# Altium PCB capleak.PcbDoc (part 1 of 2)
Units mm, origin at the board's own origin, x right, y up, seen from the top; angles counter-clockwise.
Board outline 114 x 52 mm, 2 copper layers (Top Layer, Bottom Layer), stack 1.59 mm thick; 91 components, 66 nets, 452 pads, 98 vias.
Unrouted connection lines stored in the file: 26.
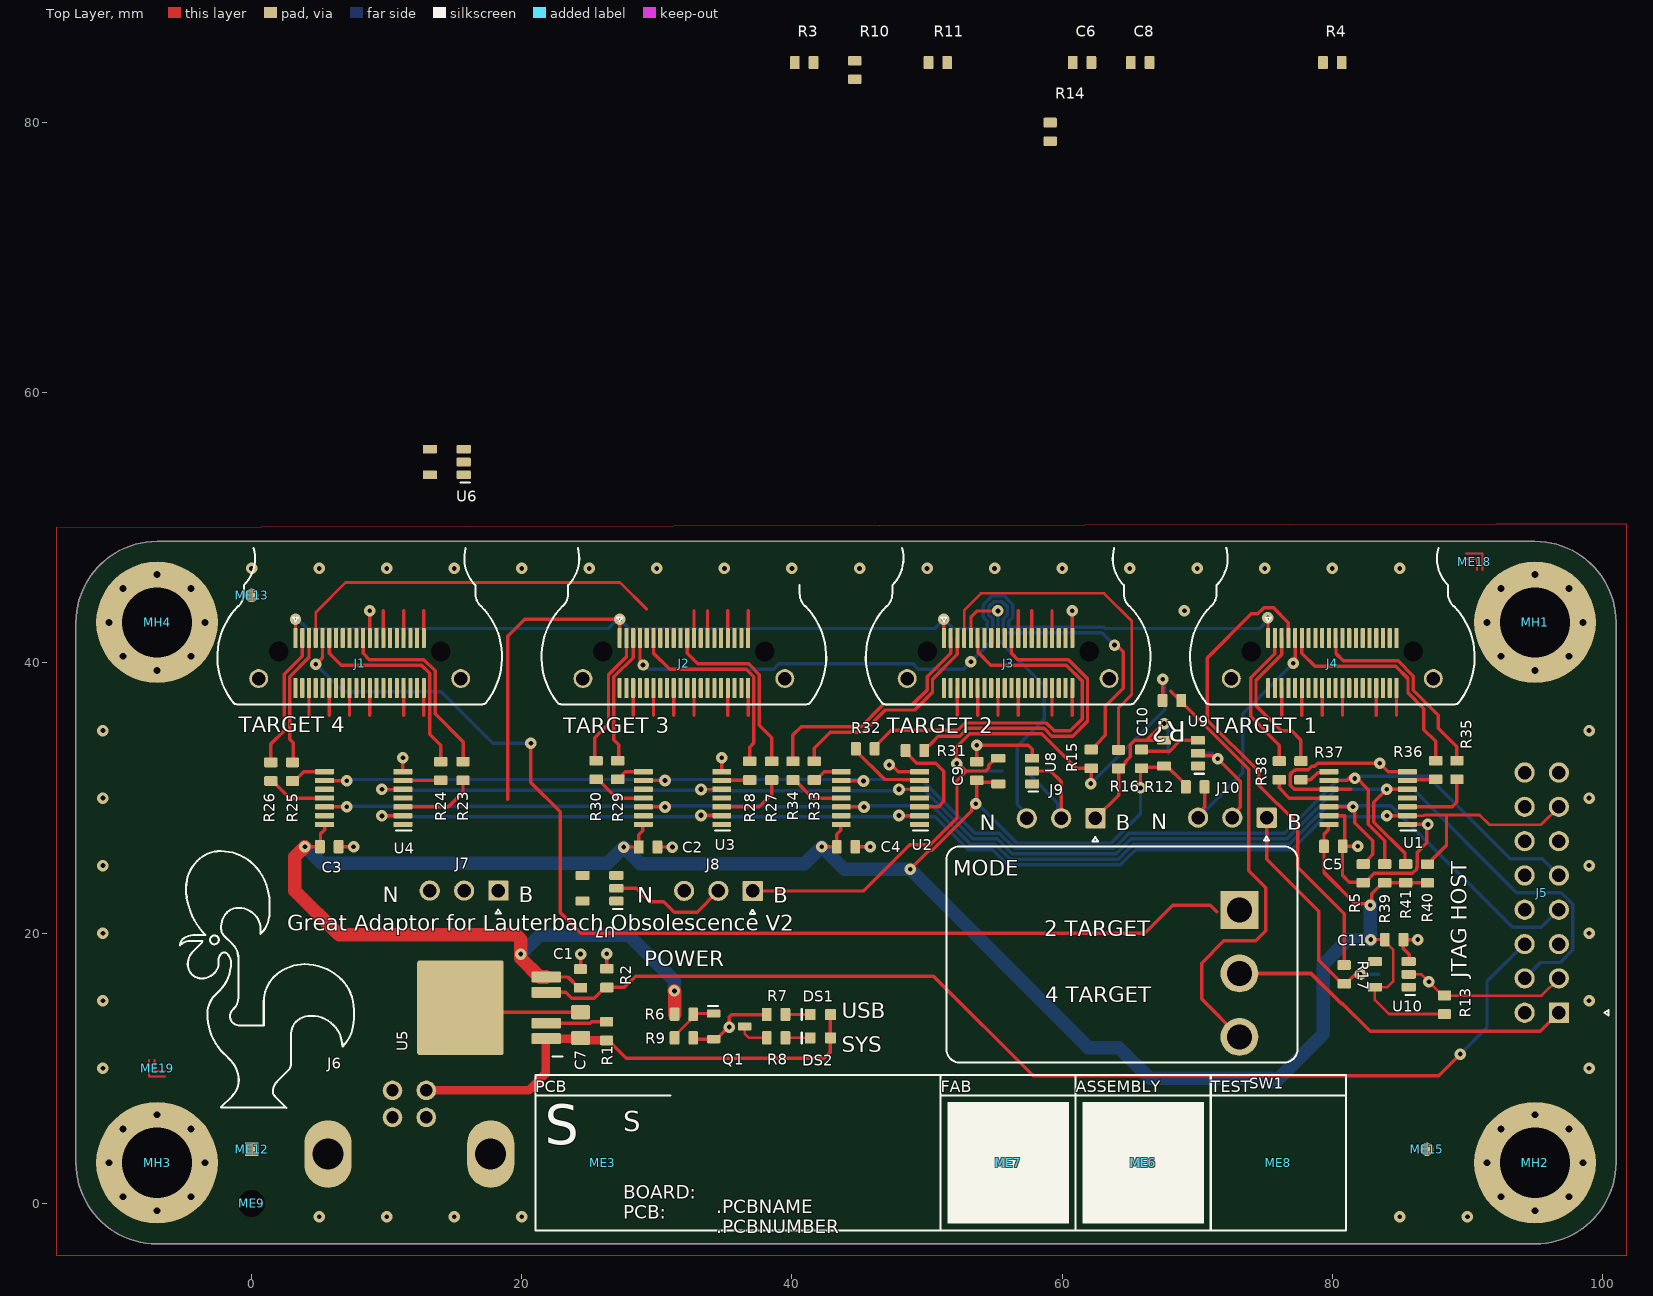
[diagram p0: Top Layer view]
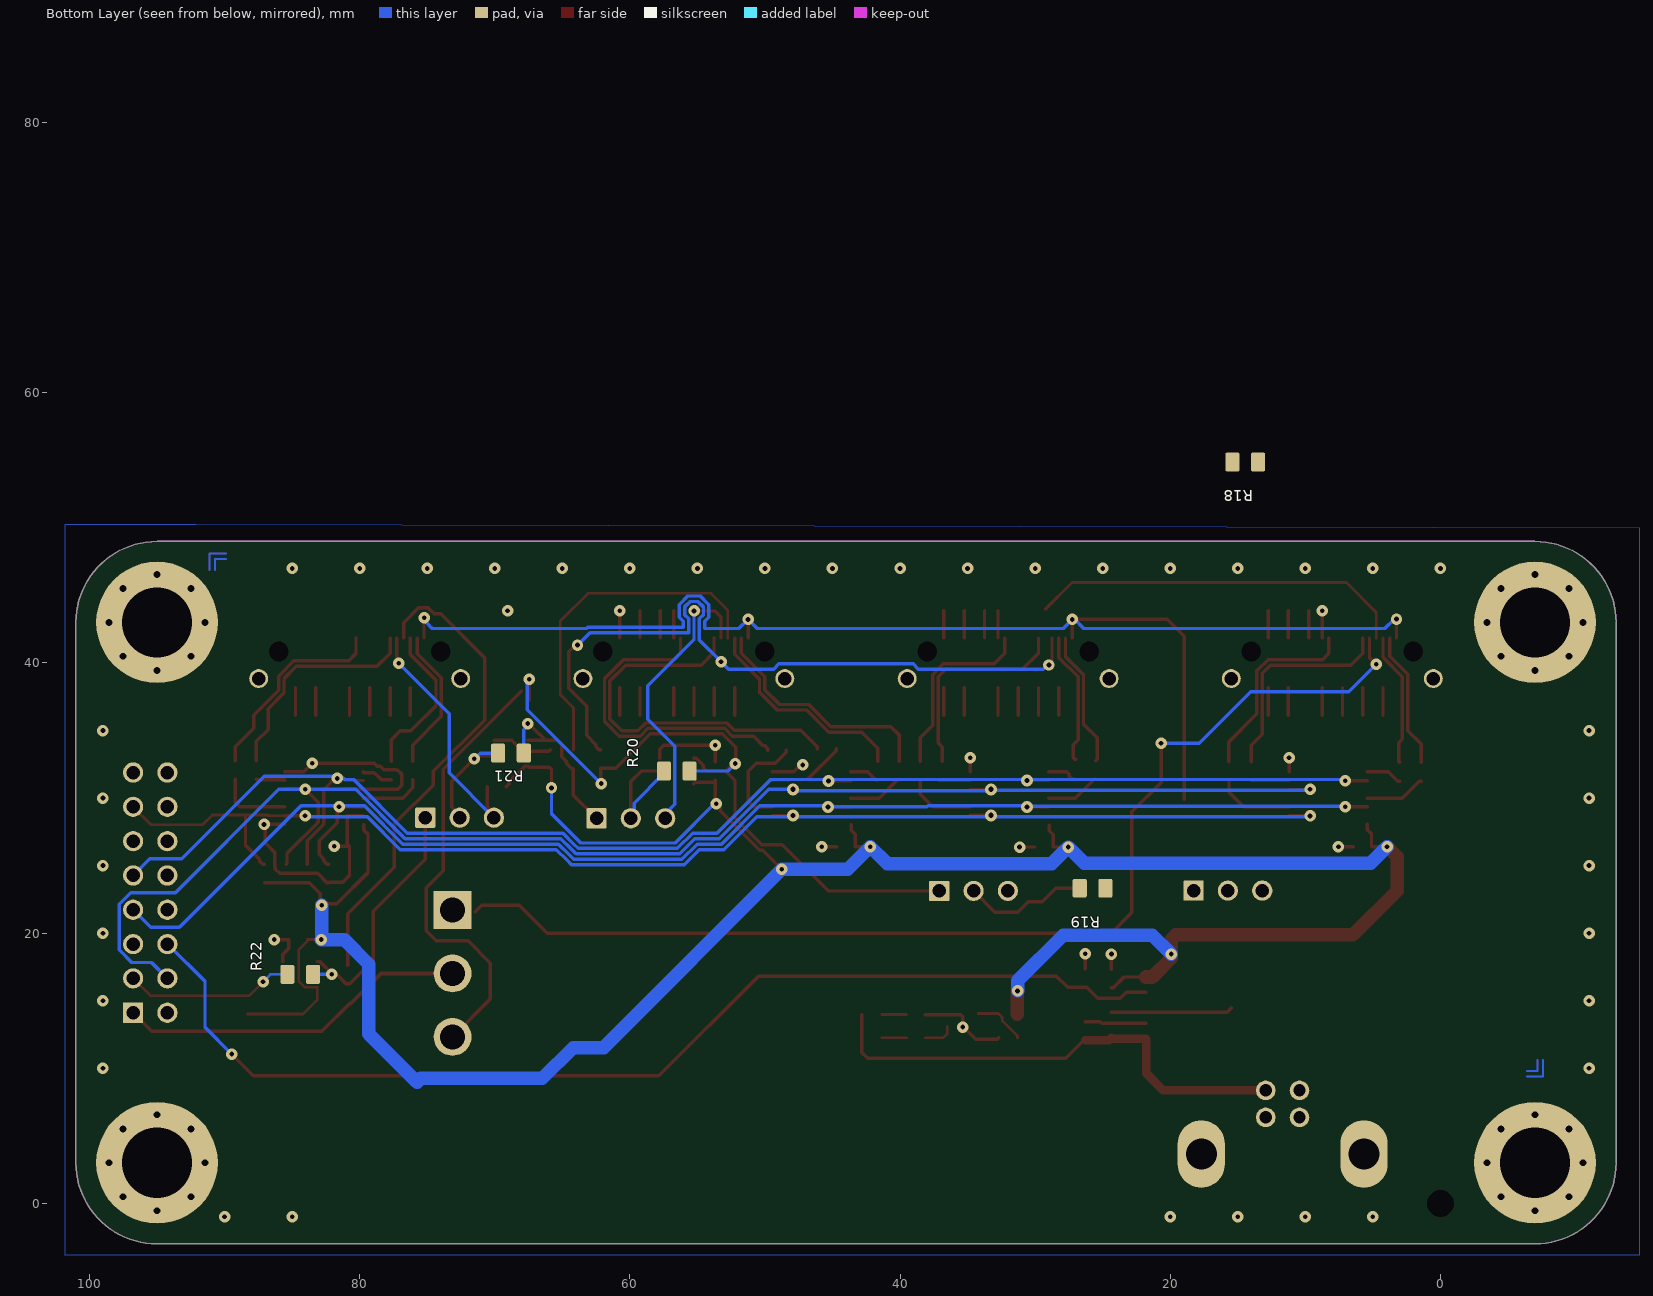
[diagram p1: Bottom Layer view, seen from below]

## Layer stack, top to bottom
Top Solder: solder mask 0.0127, Solder Resist, Dk 3.3
Top Layer: signal copper 0.035
Dielectric1: core 1.52, Isola 370HR, Dk 4.3
Bottom Layer: signal copper 0.035
Bottom Solder: solder mask 0.0127, Solder Resist, Dk 3.3

## Board outline
-13,3 ccw(c-7,3) -7,-3 95,-3 ccw(c95,3) 101,3 101,43 ccw(c95,43) 95,49 -7,49 ccw(c-7,43) -13,43

## Design rules (kind name [scope] priority, off if disabled: settings)
BoardOutlineClearance [Not OnLayer('Top Overlay') And Not OnLayer('Bottom Overlay')] p1: gap=0.25 ignorepadtopadclearanceinfootprint=FALSE except(0: Arc-SplitContinuation Track-SplitContinuation SMDPad-SplitContinuation THPad-SplitContinuation Via-SplitContinuation Fill-SplitContinuation Poly-SplitContinuation Region-SplitContinuation Text-OutlineEdge Text-CavityEdge Text-CutoutEdge Text-SplitBarrior Text-SplitContinuation)
Clearance Clearance_3 [All vs IsKeepOut] p1: gap=0.635 ignorepadtopadclearanceinfootprint=FALSE
Clearance UnplatedPads [PadIsPlated = false] p2: gap=0.254 ignorepadtopadclearanceinfootprint=FALSE
Clearance Clearance_Via [IsVia vs IsPad Or IsThruPin] p3: gap=0.15 ignorepadtopadclearanceinfootprint=TRUE except(0.3: Arc-Poly Track-Poly SMDPad-Poly THPad-Poly Via-Poly Fill-Poly Poly-Poly)
Clearance Clearance_Fiducial [Not InComponent('FD*')] p4: gap=0.15 ignorepadtopadclearanceinfootprint=TRUE
Clearance Clearance_1 [InNetClass('All Nets') And OnMid vs OnMid] p5: gap=0.2 ignorepadtopadclearanceinfootprint=FALSE sourcerule=49 cellrowname="All Nets" cellrowtype=2 cellcolname=All cellcoltype=0 innerlayers=TRUE
Clearance Clearance_2 [InNetClass('All Nets') And (ExistsOnLayer('Top Layer') Or ExistsOnLayer('Bottom Layer')) vs (ExistsOnLayer('Top Layer') Or ExistsOnLayer('Bottom Layer'))] p6: gap=0.2 ignorepadtopadclearanceinfootprint=FALSE sourcerule=49 cellrowname="All Nets" cellrowtype=2 cellcolname=All cellcoltype=0 outerlayers=TRUE
Clearance Clearance_3 [InNetClass('All Nets')] p7: gap=0.254 ignorepadtopadclearanceinfootprint=FALSE sourcerule=49 cellrowname="All Nets" cellrowtype=2 cellcolname=All cellcoltype=0
Clearance Clearance_1 [OnMid vs OnMid] p8: gap=0.2 ignorepadtopadclearanceinfootprint=FALSE sourcerule=49 cellrowname=All cellrowtype=0 cellcolname=All cellcoltype=0 innerlayers=TRUE
Clearance Clearance_2 [(ExistsOnLayer('Top Layer') Or ExistsOnLayer('Bottom Layer')) vs (ExistsOnLayer('Top Layer') Or ExistsOnLayer('Bottom Layer'))] p9: gap=0.2 ignorepadtopadclearanceinfootprint=FALSE sourcerule=49 cellrowname=All cellrowtype=0 cellcolname=All cellcoltype=0 outerlayers=TRUE
Clearance [All] p10: gap=0.15 ignorepadtopadclearanceinfootprint=FALSE ismatrix=TRUE miname0="All Nets" mitype0=2
ComponentClearance [All] p1: gap=-0.508 collisioncheckmode=3 verticalgap=0.254 showdistances=FALSE
Creepage [InNetClass('CHASSIS') vs Not InNetClass('CHASSIS') And InNetClass('All Nets')] p1: checkdistance=8 applytopolygonpour=TRUE
DiffPairsRouting "Schematic Differential Pairs Routing" [All] p1: maxlimit=0.254 minlimit=0.254 mostfreqgap=0.254 toplayer_minwidth=0.381 toplayer_maxwidth=0.381 toplayer_prefwidth=0.381 bottomlayer_minwidth=0.381 bottomlayer_maxwidth=0.381 bottomlayer_prefwidth=0.381 maxuncoupledlength=12.7
HoleSize [All] p1: absolutevalues=TRUE maxlimit=50 minlimit=0.229 maxpercent=80.000 minpercent=20.000
HoleToHoleClearance [All] p1: gap=0.21 allowstackedmicrovias=TRUE
MinimumAnnularRing [All] p1: minimumring=0.076
MinimumSolderMaskSliver [All] p1: minsoldermaskwidth=0
PlaneClearance [All] p1: clearance=0.254
PlaneConnect [All] p1: pad.planeconnectstyle=Relief pad.reliefexpansion=0.508 pad.reliefentries=4 pad.reliefconductorwidth=0.4 pad.reliefairgap=0.254 via.planeconnectstyle=Direct via.reliefexpansion=0.508 via.reliefentries=4 via.reliefconductorwidth=0.254 via.reliefairgap=0.254
PolygonConnect [All] p1: connectstyle=Relief reliefconductorwidth=0.254 reliefentries=4 polygonreliefangle="90 Angle" airgapwidth=0.254
RoutingVias "Schematic Routing Via Style" [InNet('NetJ8_2')] p1: holewidth=0.35 width=0.85 viastyle="Through Hole" minholewidth=0.35 minwidth=0.85 maxholewidth=0.35 maxwidth=0.85
RoutingVias RoutingViaStyle_2 [All] p2: holewidth=0.35 width=0.85 viastyle="Through Hole" minholewidth=0.35 minwidth=0.85 maxholewidth=0.35 maxwidth=0.85
SilkToSilkClearance [All] p1: silktosilkclearance=0
SilkToSolderMaskClearance SilkscreenOverComponentPads [All] p1: minsilkscreentomaskgap=0 clearancetoexposedcopper=TRUE
SolderMaskExpansion SolderMaskExpansion_PTH [IsThruPin] p1: expansion=0 istentingtop=FALSE
SolderMaskExpansion SolderMaskExpansion_Via [IsVia] p2: expansion=0.05 istentingtop=TRUE soldermaskfromhole=TRUE
SolderMaskExpansion [All] p3: expansion=0.05 istentingtop=FALSE
Width [All] p1: maxlimit=1 minlimit=0.2 preferedwidth=0.2 minimp=50.000000 maximp=50.000000 favimp=50.000000
21 further rules are at their usual default settings.

## Classes and differential pairs
component class U_Main: C1 C2 C3 C4 C5 C6 C7 C8 C9 C10 C11 DS1 DS2 J1 J2 J3 J4 J5 J6 J7 J8 J9 J10 Q1 R1 R2 R3 R4 R5 R6 R7 R8 R9 R10 R11 R12 R13 R14 R15 R16 R17 R18 R19 R20 R21 R22 R23 R24 R25 R26 R27 R28 R29 R30 R31 R32 R33 R34 R35 R36 R37 R38 R39 R40 R41 R? SW1 U1 U2 U3 U4 U5 U6 U7 U8 U9 U10
component class Mechanicals_Page: ME3 ME6 ME7 ME8 ME9 ME12 ME13 ME15 ME18 ME19 MH1 MH2 MH3 MH4

## Components (designator, comment, footprint, x,y, rotation, side; value= is the part's Value field where it differs from the comment)
C1 "CAP-CER-1uF-16V-X7R-0603-AEC-Q" CAPACITOR-SMD-0603 24.35,16.65 r90 top locked value=1µF
C2 "CAP-100nF-100V-CER-125C-X7R-Q200-0603/1608" CAPACITOR-SMD-0603 29.35,26.375 r180 top value=100nF
C3 "CAP-100nF-100V-CER-125C-X7R-Q200-0603/1608" CAPACITOR-SMD-0603 5.75,26.4 r180 top value=100nF
C4 "CAP-100nF-100V-CER-125C-X7R-Q200-0603/1608" CAPACITOR-SMD-0603 44,26.4 r180 top value=100nF
C5 "CAP-100nF-100V-CER-125C-X7R-Q200-0603/1608" CAPACITOR-SMD-0603 80.075,26.425 r180 top value=100nF
C6 "CAP-100nF-100V-CER-125C-X7R-Q200-0603/1608" CAPACITOR-SMD-0603 61.475,84.445 r0 top value=100nF
C7 "CAP-CER-10uF-16V-X7S-0805-AECQ" CAPACITOR-SMD-0805 24.35,13.2 r270 top locked value=10µF
C8 "CAP-100nF-100V-CER-125C-X7R-Q200-0603/1608" CAPACITOR-SMD-0603 65.776,84.445 r0 top value=100nF
C9 "CAP-100nF-100V-CER-125C-X7R-Q200-0603/1608" CAPACITOR-SMD-0603 53.675,32 r90 top value=100nF
C10 "CAP-100nF-100V-CER-125C-X7R-Q200-0603/1608" CAPACITOR-SMD-0603 65.875,32.9 r90 top value=100nF
C11 "CAP-100nF-100V-CER-125C-X7R-Q200-0603/1608" CAPACITOR-SMD-0603 84.575,19.525 r0 top value=100nF
DS1 "LED-AVAGO-HSMG-C190" LED-HSMG-C190 42.1,13.975 r0 top
DS2 "LED-AVAGO-HSMG-C190" LED-HSMG-C190 42.1,12.25 r0 top
J1 "CONN-SAMTEC-LSHM-120-02.5-L-DV-A-S-K-TR" CONN-SAMTEC-LSHM-120-02.5-L-DV-A-S-K-TR 8,40 r180 top
J2 "CONN-SAMTEC-LSHM-120-02.5-L-DV-A-S-K-TR" CONN-SAMTEC-LSHM-120-02.5-L-DV-A-S-K-TR 32,40 r180 top
J3 "CONN-SAMTEC-LSHM-120-02.5-L-DV-A-S-K-TR" CONN-SAMTEC-LSHM-120-02.5-L-DV-A-S-K-TR 56,40 r180 top
J4 "CONN-SAMTEC-LSHM-120-02.5-L-DV-A-S-K-TR" CONN-SAMTEC-LSHM-120-02.5-L-DV-A-S-K-TR 80,40 r180 top locked
J5 "CONN-SAMTEC-HTST-108-01-L-D" CONN-SAMTEC-HTST-108-01-L-D 95.5,23 r90 top
J6 "CONN-AMPHENOL-61729-1011BLF" CONN-AMPHENOL-61729-1011BLF 11.68,6.005 r0 top locked
J7 "CONN-AMPHENOL-G800W305018EU" CONN-AMPHENOL-G800W305018EU 15.73,23.15 r180 top
J8 "CONN-AMPHENOL-G800W305018EU" CONN-AMPHENOL-G800W305018EU 34.555,23.125 r180 top
J9 "CONN-AMPHENOL-G800W305018EU" CONN-AMPHENOL-G800W305018EU 59.925,28.5 r180 top
J10 "CONN-AMPHENOL-G800W305018EU" CONN-AMPHENOL-G800W305018EU 72.6,28.55 r180 top
ME3 "MARKING-BOARDINFO" MARK-ARCHER-PROJECT 26,3 r0 top locked
ME6 "MARKING-QR-ASSEMBLY" MARK-QR-ASSEMBLY 66,3 r0 top
ME7 "MARKING-QR-FABRICATION" MARK-QR-FABRICATION 56,3 r0 top
ME8 "MARKING-TESTMARK" MARK-TESTMARK 76,3 r0 top
ME9 "MARKING-TOOLINGHOLE" MECH-TOOLINGHOLE 0,0 r0 top
ME12 "FIDUCIAL-SQUARE" FIDUCIAL-SQUARE 0,4 r90 top
ME13 "FIDUCIAL-ROUND" FIDUCIAL-ROUND 0,45 r0 top
ME15 "FIDUCIAL-ROUND" FIDUCIAL-ROUND 87,4 r0 top
ME18 "MARKING-SOLDERMASK-CHEVRON" MECH-MASK-CHEVRON 90.5,47.5 r180 top
ME19 "MARKING-SOLDERMASK-CHEVRON" MECH-MASK-CHEVRON -7,10 r0 top
MH1 "MH900P520H-VR" MH900P520H-VR 95,43 r0 top
MH2 "MH900P520H-VR" MH900P520H-VR 95,3 r0 top
MH3 "MH900P520H-VR" MH900P520H-VR -7,3 r0 top
MH4 "MH900P520H-VR" MH900P520H-VR -7,43 r0 top
Q1 "XSTR-ONSEMI-MMBT3904LT1G" SEMI-SOT23 35.35,13.1 r0 top
R1 "RES-1K-1%-100mW-150C-Q200-0603/1608" RESISTOR-SMD-0603 26.275,12.75 r270 top locked value=1k
R2 "RES-10K-1%-100mW-150C-Q200-0603/1608" RESISTOR-SMD-0603 26.3,16.675 r270 top locked value=10k
R3 "RES-1K-1%-100mW-150C-Q200-0603/1608" RESISTOR-SMD-0603 40.899,84.445 r0 top value=1k
R4 "RES-47R-1%-100mW-150C-Q200-0603/1608" RESISTOR-SMD-0603 80.001,84.445 r0 top value=47
R5 "RES-1K-1%-100mW-150C-Q200-0603/1608" RESISTOR-SMD-0603 82.285,24.425 r90 top value=1k
R6 "RES-220R-1%-100mW-150C-Q200-0603/1608" RESISTOR-SMD-0603 32,14 r0 top value=220
R7 "RES-470R-1%-100mW-150C-Q200-0603/1608" RESISTOR-SMD-0603 38.825,13.975 r0 top value=470
R8 "RES-470R-1%-100mW-150C-Q200-0603/1608" RESISTOR-SMD-0603 38.825,12.25 r0 top value=470
R9 "RES-1K-1%-100mW-150C-Q200-0603/1608" RESISTOR-SMD-0603 32,12.25 r180 top value=1k
R10 "RES-1K-1%-100mW-150C-Q200-0603/1608" RESISTOR-SMD-0603 44.65,83.895 r90 top value=1k
R11 "RES-1K-1%-100mW-150C-Q200-0603/1608" RESISTOR-SMD-0603 50.8,84.445 r0 top value=1k
R12 "RES-1K-1%-100mW-150C-Q200-0603/1608" RESISTOR-SMD-0603 69.85,30.825 r0 top value=1k
R13 "RES-1K-1%-100mW-150C-Q200-0603/1608" RESISTOR-SMD-0603 88.3,14.7 r90 top value=1k
R14 "RES-47R-1%-100mW-150C-Q200-0603/1608" RESISTOR-SMD-0603 59.112,79.311 r90 top value=47
R15 "RES-47R-1%-100mW-150C-Q200-0603/1608" RESISTOR-SMD-0603 62.15,32.9 r90 top value=47
R16 "RES-47R-1%-100mW-150C-Q200-0603/1608" RESISTOR-SMD-0603 64.175,32.875 r90 top value=47
R17 "RES-47R-1%-100mW-150C-Q200-0603/1608" RESISTOR-SMD-0603 80.875,16.95 r90 top value=47
R18 "RES-0R-1%-125mW-150C-Q200-0805/2012" RESISTOR-SMD-0805 14.45,54.875 r0 bottom value=0
R19 "RES-0R-1%-125mW-150C-Q200-0805/2012" RESISTOR-SMD-0805 25.75,23.325 r0 bottom value=0
R20 "RES-0R-1%-125mW-150C-Q200-0805/2012" RESISTOR-SMD-0805 56.525,32 r0 bottom value=0
R21 "RES-0R-1%-125mW-150C-Q200-0805/2012" RESISTOR-SMD-0805 68.8,33.325 r0 bottom value=0
R22 "RES-0R-1%-125mW-150C-Q200-0805/2012" RESISTOR-SMD-0805 84.4,16.95 r0 bottom value=0
R23 "RES-47R-1%-100mW-150C-Q200-0603/1608" RESISTOR-SMD-0603 15.65,32 r90 top value=47
R24 "RES-47R-1%-100mW-150C-Q200-0603/1608" RESISTOR-SMD-0603 14,32 r90 top value=47
R25 "RES-47R-1%-100mW-150C-Q200-0603/1608" RESISTOR-SMD-0603 3.025,31.95 r90 top value=47
R26 "RES-47R-1%-100mW-150C-Q200-0603/1608" RESISTOR-SMD-0603 1.425,31.95 r90 top value=47
R27 "RES-47R-1%-100mW-150C-Q200-0603/1608" RESISTOR-SMD-0603 38.499,32.025 r90 top value=47
R28 "RES-47R-1%-100mW-150C-Q200-0603/1608" RESISTOR-SMD-0603 36.874,32.025 r90 top value=47
R29 "RES-47R-1%-100mW-150C-Q200-0603/1608" RESISTOR-SMD-0603 27.1,32.075 r90 top value=47
R30 "RES-47R-1%-100mW-150C-Q200-0603/1608" RESISTOR-SMD-0603 25.5,32.075 r90 top value=47
R31 "RES-47R-1%-100mW-150C-Q200-0603/1608" RESISTOR-SMD-0603 49.1,33.525 r0 top value=47
R32 "RES-47R-1%-100mW-150C-Q200-0603/1608" RESISTOR-SMD-0603 45.425,33.65 r0 top value=47
R33 "RES-47R-1%-100mW-150C-Q200-0603/1608" RESISTOR-SMD-0603 41.649,32.025 r90 top value=47
R34 "RES-47R-1%-100mW-150C-Q200-0603/1608" RESISTOR-SMD-0603 40.074,32.025 r90 top value=47
R35 "RES-47R-1%-100mW-150C-Q200-0603/1608" RESISTOR-SMD-0603 89.225,32.075 r90 top value=47
R36 "RES-47R-1%-100mW-150C-Q200-0603/1608" RESISTOR-SMD-0603 87.65,32.075 r90 top value=47
R37 "RES-47R-1%-100mW-150C-Q200-0603/1608" RESISTOR-SMD-0603 77.675,32.05 r90 top value=47
R38 "RES-47R-1%-100mW-150C-Q200-0603/1608" RESISTOR-SMD-0603 76.075,32.05 r90 top value=47
R39 "RES-10K-1%-100mW-150C-Q200-0603/1608" RESISTOR-SMD-0603 83.875,24.425 r270 top value=10k
R40 "RES-10K-1%-100mW-150C-Q200-0603/1608" RESISTOR-SMD-0603 87.045,24.415 r270 top value=10k
R41 "RES-10K-1%-100mW-150C-Q200-0603/1608" RESISTOR-SMD-0603 85.425,24.425 r270 top value=10k
R? "RES-47R-1%-100mW-150C-Q200-0603/1608" RESISTOR-SMD-0603 68.125,37.225 r180 top value=47
SW1 "SWITCH-ESWITCH-100SP3T1B1M2QE" SWITCH-ESWITCH-100SPxT1B1M2xE 73.125,17.025 r270 top
U1 "IC-NEXPERIA-74HC125PW-Q100" SO65P640X500-14 82.65,30 r180 top locked
U2 "IC-NEXPERIA-74HC125PW-Q100" SO65P640X500-14 46.55,30 r180 top locked
U3 "IC-NEXPERIA-74HC125PW-Q100" SO65P640X500-14 31.9,30 r180 top locked
U4 "IC-NEXPERIA-74HC125PW-Q100" SO65P640X500-14 8.3,30 r180 top locked
U5 "IC-INFINEON-TLE4252DATMA1" DPAK-4-QUADPANE 17.45,14.475 r180 top locked
U6 "IC-TI-SN74LVC1G17DBVR" SEMI-SOT25 14.45,54.875 r180 top
U7 "IC-TI-SN74LVC1G17DBVR" SEMI-SOT25 25.75,23.325 r180 top
U8 "IC-TI-SN74LVC1G17DBVR" SEMI-SOT25 56.525,32 r180 top
U9 "IC-TI-SN74LVC1G17DBVR" SEMI-SOT25 68.8,33.325 r180 top
U10 "IC-TI-SN74LVC1G17DBVR" SEMI-SOT25 84.4,16.95 r180 top

## Footprints (in the part's own frame and the unit in brackets; to place one, negate y for a bottom-side part, rotate by r counter-clockwise, add the part's x,y. Pads: shape width x height; smd on the part's side, far side on the other; paste and mask are expansions set on the pad)
CAPACITOR-SMD-0603 [mm] "CAPACITOR, CHIP 0603 (1608) 0.8MM THICK"
  rrect25% 0.72x0.99 smd mask+0.075: 1(-0.69,0) 2(0.69,0)
  body extent -0.81,-0.41 0.81,0.41, height 0.81
CAPACITOR-SMD-0805 [mm] "CAPACITOR CHIP 0805 (2012) 1.25MM THICK"
  rrect25% 1.05x1.4 smd mask+0.075: 1(-0.95,0) 2(0.95,0)
  body extent -1.01,-0.63 1.01,0.64, height 1.26
CONN-AMPHENOL-61729-1011BLF [mm] "CONN USB-B CONN-AMPHENOL-61729-1011BLF"
  round 1.45 hole 0.92: 1(1.25,2.355) 2(-1.25,2.355) 3(-1.25,0.355) 4(1.25,0.355)
  oval 3.5x5 hole 2.3: 5(6.02,-2.355) 6(-6.02,-2.355)
  body extent -6.41,-12.6 6.41,3.4, height 11.01
CONN-AMPHENOL-G800W305018EU [mm] "PINHEADER, 1X3 TH 2.54MM PITCH"
  rrect12% 1.5x1.5 hole 1 paste-2539.97 mask+0.05: 1(-2.54,0)
  round 1.5 hole 1 paste-2539.97 mask+0.05: 2(0,0) 3(2.54,0)
  silkscreen extent -2.72,1.4 -2.32,1.7, body extent -3.81,-1.25 3.81,1.25, height 8.96
CONN-SAMTEC-HTST-108-01-L-D [mm] "CONNECTOR, SAMTEC HTST-108-01-L-D"
  rect 1.5x1.5 hole 1 mask+0.075: 1(-8.89,-1.27)
  round 1.5 hole 1 mask+0.075: 2(-8.89,1.27) 3(-6.35,-1.27) 4(-6.35,1.27) 5(-3.81,-1.27) 6(-3.81,1.27) 7(-1.27,-1.27) 8(-1.27,1.27) 9(1.27,-1.27) 10(1.27,1.27) 11(3.81,-1.27) 12(3.81,1.27) 13(6.35,-1.27) 14(6.35,1.27) 15(8.89,-1.27) 16(8.89,1.27)
  silkscreen extent -9.09,-4.94 -8.69,-4.64, body extent -13.97,-4.76 13.97,4.64, height 8.9
CONN-SAMTEC-LSHM-120-02.5-L-DV-A-S-K-TR [mm] "CONNECTOR, SAMTEC LSHM-120-02.5-L-DV-A-S-K-TR"
  rrect50% 0.3x1.5 smd mask+0.05: 1(4.75,-1.847) 2(4.75,1.853) 3(4.25,-1.847) 4(4.25,1.853) 5(3.75,-1.847) 6(3.75,1.853) 7(3.25,-1.847) 8(3.25,1.853) 9(2.75,-1.847) 10(2.75,1.853) 11(2.25,-1.847) 12(2.25,1.853) 13(1.75,-1.847) 14(1.75,1.853) 15(1.25,-1.847) 16(1.25,1.853) 17(0.75,-1.847) 18(0.75,1.853) 19(0.25,-1.847) 20(0.25,1.853) 21(-0.25,-1.847) 22(-0.25,1.853) 23(-0.75,-1.847) 24(-0.75,1.853) 25(-1.25,-1.847) 26(-1.25,1.853) 27(-1.75,-1.847) 28(-1.75,1.853) 29(-2.25,-1.847) 30(-2.25,1.853) 31(-2.75,-1.847) 32(-2.75,1.853) 33(-3.25,-1.847) 34(-3.25,1.853) 35(-3.75,-1.847) 36(-3.75,1.853) 37(-4.25,-1.847) 38(-4.25,1.853) 39(-4.75,-1.847) 40(-4.75,1.853)
  round 0 hole 1.45 unplated mask+0.15: ME1(6,-0.847)
  round 0 hole 1.45 unplated mask+0.875: ME2(-6,-0.847)
  round 1.4 hole 1 mask+0.05: ME3(7.475,1.153) ME4(-7.475,1.153)
  silkscreen extent 4.55,-3.37 4.95,-3.07, body extent -7.9,-2.49 7.9,2.54, height 4.11
DPAK-4-QUADPANE [mm] "DPAK D-PAK TO252 - TO-252  4 PIN QUADPANE"
  rrect25% 2.2x0.8 smd mask+0.05: 1(-4.362,2.28) 2(-4.363,1.14) 4(-4.362,-1.14) 5(-4.362,-2.28)
  rrect5% 6.4x7 smd paste-7 mask+0.05: 6(1.988,0)
  silkscreen extent -5.56,3.61 -4.81,3.61, body extent -5.26,-3.35 5.04,3.35, height 2.41
FIDUCIAL-ROUND [mm] "FIDUCIAL ROUND, EXTREMITIES"
  round 1 smd paste-0.5 mask+1: 1(0,0)
  Top Layer pour cut-out: -0.025,-1.601 -0.632,-1.475 -1.144,-1.127 -1.484,-0.609 -1.6,0 -1.6,0 -1.478,0.612 -1.131,1.131 -0.612,1.478 0,1.6 0,1.6 0.612,1.478 1.131,1.131 1.478,0.612 1.6,0 1.6,0 1.473,-0.616 1.119,-1.137 0.593,-1.483 -0.025,-1.601
FIDUCIAL-SQUARE [mm] "FIDUCIAL SQUARE 0:0 MARK"
  rect 1x1 smd paste-0.5 mask+0.075: 1(0,0)
  Top Layer pour cut-out: -1.625,-1.625 1.625,-1.625 1.625,1.625 -1.625,1.625
LED-HSMG-C190 [mm] "AVAGO HSMG-C190 LED, GREEN 1608"
  rrect10% 0.8x0.8 smd paste+0 mask+0.05: 1(-0.75,0) 2(0.75,0)
  silkscreen extent -1.38,-0.4 -1.38,0.4, body extent -0.85,-0.45 0.85,0.45, height 0.9
MARK-ARCHER-PROJECT [mm] "ARCHER PROJECT WORDMARK"
  silkscreen extent -5,-5 25,6.5
MARK-QR-ASSEMBLY [mm] "QR CODE ASSEMBLY"
  silkscreen extent -5,-5 5,6.5
MARK-QR-FABRICATION [mm] "QR CODE FABRICATION"
  silkscreen extent -5,-5 5,6.5
MARK-TESTMARK [mm] "TESTMARK LOCATION"
  silkscreen extent -5,-5 5,6.5
MECH-MASK-CHEVRON [mm] "MASK ALIGNMENT CHEVRON"
  Top Layer lines w0.15: 0.6,-0.2 -0.2,-0.2 -0.2,0.6 ; 0.6,-0.6 -0.6,-0.6 -0.6,0.6
  Bottom Layer lines w0.15: 0.6,-0.2 -0.2,-0.2 -0.2,0.6 ; 0.6,-0.6 -0.6,-0.6 -0.6,0.6
  Multi-Layer pour cut-out: -0.775,0.9 -0.823,0.89 -0.863,0.863 -0.89,0.823 -0.9,0.775 -0.9,0.775 -0.9,-0.775 -0.89,-0.823 -0.863,-0.863 -0.823,-0.89 -0.775,-0.9 -0.775,-0.9 0.775,-0.9 0.823,-0.89 0.863,-0.863 0.89,-0.823 0.9,-0.775 0.9,-0.775 0.9,0.775 0.89,0.823 0.863,0.863 0.823,0.89 0.775,0.9 0.775,0.9 0.75,0.9
MECH-TOOLINGHOLE [mm] "TOOLING HOLE"
  round 0 hole 2 unplated mask+0.102: 0(0,0)
MH900P520H-VR [mm] "MOUNTING HOLE 9.00mm PAD , 5.2mm Hole, VIA RING"
  round 1.1 hole 0.5 mask-999: 1(-3.55,0) 1(-2.51,-2.51) 1(-2.51,2.51) 1(0,-3.55) 1(0,3.55) 1(2.51,-2.51) 1(2.51,2.51) 1(3.55,0)
  round 9 hole 5.2: 1(0,0)
RESISTOR-SMD-0603 [mm] "RESISTOR CHIP 0603 (1608) 0.5MM THICK"
  rrect25% 0.72x0.99 smd mask+0.075: 1(-0.69,0) 2(0.69,0)
  body extent -0.8,-0.4 0.8,0.4, height 0.37
RESISTOR-SMD-0805 [mm] "RESISTOR CHIP 0805 (2012) 0.6MM THICK"
  rrect25% 1.05x1.4 smd mask+0.075: 1(-0.95,0) 2(0.95,0)
  body extent -1,-0.63 1,0.63, height 0.47
SEMI-SOT23 [mm] "SOT23 PACKAGE"
  rrect25% 1x0.6 smd paste+0 mask+0.05: 1(-1.15,0.95) 2(-1.15,-0.95) 3(1.15,0)
  silkscreen extent -1.58,1.5 -0.82,1.5, body extent -1.4,-1.45 1.4,1.45, height 1.3
SEMI-SOT25 [mm] "SOT23-5 PACKAGE (SOT25)"
  rrect25% 1.05x0.65 smd paste+0 mask+0.05: 1(-1.25,0.95) 2(-1.25,0) 3(-1.25,-0.95) 4(1.25,-0.95) 5(1.25,0.95)
  silkscreen extent -1.7,1.53 -1,1.53, body extent -1.4,-1.46 1.4,1.44, height 1.45
SO65P640X500-14 [mm] "SO 0.65mm Pitch, 6.4mm Span, 6.6mm Width, 14Pin"
  rrect25% 1.4x0.39 smd mask+0.075: 1(-2.9,1.95) 2(-2.9,1.3) 3(-2.9,0.65) 4(-2.9,0) 5(-2.9,-0.65) 6(-2.9,-1.3) 7(-2.9,-1.95) 8(2.9,-1.95) 9(2.9,-1.3) 10(2.9,-0.65) 11(2.9,0) 12(2.9,0.65) 13(2.9,1.3) 14(2.9,1.95)
  silkscreen extent -3.52,2.4 -2.4,2.4, body extent -3.15,-2.5 3.15,2.5, height 1.2
SWITCH-ESWITCH-100SPxT1B1M2xE [mm] "E-SWITCH 100SPxT1B1M2xE"
  rect 2.8x2.8 hole 1.854: 1(-4.7,0)
  round 2.8 hole 1.854: 2(0,0) 3(4.7,0)
  body extent -6.35,-3.43 6.35,3.43, height 29.44

## Part data
C1: library part CMP-001-00774-1, "CAP, CER, 1uF, 16, X7R, 0603 (1608 Metric), AEC-Q200", Capacitor Type=Ceramic, Case/Package=0603/1608, Manufacturer 1=KEMET, Manufacturer Part Number 1=C0603X105J4RACAUTO, Max Operating Temperature=125°C, Min Operating Temperature=-55°C, Temperature Coefficient=X7R, Tolerance=20%, Voltage Rating=16V, AEC-Q=AEC-Q200, Mass (g)=0.0066, Mounting Technology=SMT, Pins=2, RoHS Compliant=YES
C2 C3 C4 C5 C6 C8 C9 C10 C11: library part CMP-001-00370-11, "CAP, CER, 100nF, 100V, X7R, 10%, -55°C to 125°C, 0603 (1608 Metric), AEC-Q200", Capacitor Type=Ceramic, Case/Package=0603/1608, Manufacturer 1=MURATA, Manufacturer Part Number 1=GCJ188R72A104KA01D, Max Operating Temperature=125°C, Min Operating Temperature=-55°C, Temperature Coefficient=X7R, Tolerance=10%, Voltage Rating=100V, AEC-Q=AEC-Q200, Mass (g)=0.0066, Mounting Technology=SMT, Pins=2, RoHS Compliant=YES
C7: library part CMP-001-00776-1, "CAP, CER, 10uF, 16V, X7S, 0805 (2012 Metric), AEC-Q200", Capacitor Type=Ceramic, Case/Package=0805/2012, Manufacturer 1=TDK, Manufacturer Part Number 1=CGA4J1X7S1C106K125AE, Max Operating Temperature=125°C, Min Operating Temperature=-55°C, Temperature Coefficient=X7S, Tolerance=20%, Voltage Rating=16V, AEC-Q=AEC-Q200, AEC_Q=-, Mass (g)=0.0198, Mounting Technology=SMT, Pins=2, RoHS Compliant=YES
DS1 DS2: library part CMP-007-00013-8, "LED, GREEN, AVAGO HSMG-C190", COLOR=GREEN, Manufacturer 1="Broadcom Avago", Manufacturer Part Number 1=HSMG-C190, Max Operating Temperature=85°C, Min Operating Temperature=-40°C, Power=52mW, AEC-Q=UNKNOWN, Flight="Approved for Flight", If=20mA, Luminous Intensity=15mcd, Mass=0.026700, Mounting Technology=SMT, PPAP=UNKNOWN, RoHS=YES, Vf=2.2V
J1 J2 J3 J4: library part CMP-001330-2, "CONN, 2X20 PIN, VERTICAL, SMT, SAMTEC, LSHM-120-02.5-L-DV-A-S-K-TR", Manufacturer 1=SAMTEC, Manufacturer Part Number 1=LSHM-120-02.5-L-DV-A-S-K-TR, Package=-, AEC-Q=YES, Flight="NOT FOR FLIGHT", Mounting Technology=SMT, PCB Mount=Right-Angle, Pinout=2X20, Plating="SELECTIVE GOLD", PPAP=UNKNOWN, RoHS=YES
J5: library part CMP-001293-1, "CONN, 2X40 SOCKET, VERTICAL, TH, SAMTEC, HTST-108-01-L-D", Manufacturer 1=SAMTEC, Manufacturer Part Number 1=HTST-108-01-L-D, Package=-, AEC-Q=YES, Flight="NOT FOR FLIGHT", Mounting Technology=TH, PCB Mount=Vertical, Pinout=2X8, Plating="SELECTIVE GOLD", PPAP=UNKNOWN, RoHS=YES
J6: library part CMP-002-00041-5, "CONN, USB-B RECEPTACLE, RIGHT ANGLE, AMPHENOL 61729-1011BLF", Case/Package=61729-1011BLF, Colour=Black, Current Rating=1.5A, Manufacturer 1="FCI Electronics", Max Operating Temperature=40°C, Min Operating Temperature=0°C, Package Description="4-Pin Through Hole Device, Body 16 x 12.2 mm", Package Quantity=44, Connector Type=USB, Contact Material=Copper, Contact Plating=Nickel, Datasheet URL=http://portal.fciconnect.com/Comergent/fci/drawing/61729.pdf, Datasheet Version="Rev. W, 05/2014", Gender=Female, Lead Pitch=2.5mm, Manufacturer Part Number 1=61729-1011BLF, Manufacturer URL=http://portal.fciconnect.com/, Mounting Technology=TH, Package Reference=61729-1011BLF, Packaging=Rail/Tube, Pins=4, RoHS Compliant=True
J7 J8 J9 J10: library part CMP-002-00094-1, "CONN, 1X3 PIN, VERTICAL, TH, AMPHENOL G800W305018EU", Case/Package=1X3, Manufacturer 1=AMPHENOL, Manufacturer Part Number 1=G800W305018EU, Max Operating Temperature=105°C, Min Operating Temperature=-40°C, Connector Type="BOARD CONNECTOR", Height=4.3mm, Mass (g)=0.03800, Mass (oz)="0.001340 oz", RoHS Compliant=Yes
ME3: library part CMP-000026-10, "BOARD INFORMATION"
ME6: library part CMP-000023-4, "QR CODE ASSEMBLY"
ME7: library part CMP-000022-4, "QR CODE FABRICATION"
ME8: library part CMP-000021-4, "TEST MARK AREA"
ME9: library part CMP-000028-1, "TOOLINGHOLE, TO BE PLACED IN ORIGIN"
ME12: library part CMP-000029-3, "FIDUCIAL SQUARE, ORIGIN"
ME13 ME15: library part CMP-000030-3, "FIDUCIAL ROUND"
ME18 ME19: library part CMP-000027-3, "SOLDERMASK CHEVRON"
MH1 MH2 MH3 MH4: library part CMP-001100-3, "MOUNTING HOLE, 9.00mm PAD, 5.2mm HOLE, WITH VIA RING"
Q1: library part CMP-013-00007-5, "XSTR, NPN, 40V, 0.2A, ONSEMI MMBT3904LT1G, SOT23", Case/Package=TO-236-3, Manufacturer 1="ON Semiconductor", Manufacturer Part Number 1=MMBT3904LT1G, Max Operating Temperature=150°C, Min Operating Temperature=-55°C, Package Description="3-Pin Small Outline Transistor, Body 2.9 x 1.3 mm, Pitch 0.95 mm", Package Reference="SOT-23 (318-08)", Power=225mW, AEC-Q=?, hFE Min=80, Mounting Technology=SM, Pins=3, RoHS Compliant=True
R1 R3 R5 R9 R10 R11 R12 R13: library part CMP-009-01886-11, "RES, 1K, 1%, 1/10W, -55°C to 150°C, 0603 (1608 Metric), Thick Film, AEC-Q200", Manufacturer 1="STACKPOLE ELECTRONICS", Manufacturer 2="KOA SPEER", Manufacturer 3=YAGEO, Manufacturer Part Number 1=RMCF0603FT1K00, Manufacturer Part Number 2=RK73H1JTTD1001F, Manufacturer Part Number 3=AC0603FR-071KL, Max Operating Temperature=150°C, Min Operating Temperature=-55°C, Package="0603 (1608 Metric)", Power=100mW, Tempco=100ppm, Tolerance=1%, Voltage Rating=75V, AEC-Q="AEC-Q200 Grade 0 (-50 +150 C)", Anti Sulfur=FALSE, Flight="Approved for Flight", Mass=0.0019, Mounting Technology=SMT, PPAP=UNKNOWN, Pulse Withstanding=FALSE, RoHS=YES
R2 R39 R40 R41: library part CMP-009-02000-11, "RES, 10K, 1%, 1/10W, -55°C to 150°C, 0603 (1608 Metric), Thick Film, AEC-Q200", Manufacturer 1="STACKPOLE ELECTRONICS", Manufacturer 2="KOA SPEER", Manufacturer 3=YAGEO, Manufacturer Part Number 1=RMCF0603FT10K0, Manufacturer Part Number 2=RK73H1JTTD1002F, Manufacturer Part Number 3=AC0603FR-0710KL, Max Operating Temperature=150°C, Min Operating Temperature=-55°C, Package="0603 (1608 Metric)", Power=100mW, Tempco=100ppm, Tolerance=1%, Voltage Rating=75V, AEC-Q="AEC-Q200 Grade 0 (-50 +150 C)", Anti Sulfur=FALSE, Flight="Approved for Flight", Mass=0.0019, Mounting Technology=SMT, PPAP=UNKNOWN, Pulse Withstanding=FALSE, RoHS=YES
R4 R14 R15 R16 R17 R23 R24 R25 R26 R27 R28 R29 R30 R31 R32 R33 R34 R35 R36 R37 R38 R?: library part CMP-009-01734-8, "RES, 47R, 1%, 1/10W, -55°C to 150°C, 0603 (1608 Metric), Thick Film, AEC-Q200", Manufacturer 1=STACKPOLE, Manufacturer 2="KOA SPEER", Manufacturer 3=YAGEO, Manufacturer Part Number 1=RMCF0603FT47R0, Manufacturer Part Number 2=RK73H1JTTD47R0F, Manufacturer Part Number 3=AC0603FR-0747RL, Max Operating Temperature=150°C, Min Operating Temperature=-55°C, Package="0603 (1608 Metric)", Power=100mW, Tempco=100ppm, Tolerance=1%, Voltage Rating=75V, AEC-Q="AEC-Q200 Grade 0 (-50 +150 C)", Anti Sulfur=FALSE, Flight="Approved for Flight", Mass=0.0019, Mounting Technology=SMT, PPAP=UNKNOWN, Pulse Withstanding=FALSE, RoHS=YES
R6: library part CMP-009-01808-8, "RES, 220R, 1%, 1/10W, -55°C to 150°C, 0603 (1608 Metric), Thick Film, AEC-Q200", Manufacturer 1=STACKPOLE, Manufacturer 2="KOA SPEER", Manufacturer 3=YAGEO, Manufacturer Part Number 1=RMCF0603FT220R, Manufacturer Part Number 2=RK73H1JTTD2200F, Manufacturer Part Number 3=AC0603FR-07220RL, Max Operating Temperature=150°C, Min Operating Temperature=-55°C, Package="0603 (1608 Metric)", Power=100mW, Tempco=100ppm, Tolerance=1%, Voltage Rating=75V, AEC-Q="AEC-Q200 Grade 0 (-50 +150 C)", Anti Sulfur=FALSE, Flight="Approved for Flight", Mass=0.0019, Mounting Technology=SMT, PPAP=UNKNOWN, Pulse Withstanding=FALSE, RoHS=YES
R7 R8: library part CMP-009-01848-8, "RES, 470R, 1%, 1/10W, -55°C to 150°C, 0603 (1608 Metric), Thick Film, AEC-Q200", Manufacturer 1="STACKPOLE ELECTRONICS", Manufacturer 2="KOA Speer", Manufacturer 3=YAGEO, Manufacturer Part Number 1=RMCF0603FT470R, Manufacturer Part Number 2=RK73H1JTTD4700F, Manufacturer Part Number 3=AC0603FR-07470RL, Max Operating Temperature=150°C, Min Operating Temperature=-55°C, Package="0603 (1608 Metric)", Power=100mW, Tempco=100ppm, Tolerance=1%, Voltage Rating=75V, AEC-Q="AEC-Q200 Grade 0 (-50 +150 C)", Anti Sulfur=FALSE, Flight="Approved for Flight", Mass=0.0019, Mounting Technology=SMT, PPAP=UNKNOWN, Pulse Withstanding=FALSE, RoHS=YES
R18 R19 R20 R21 R22: library part CMP-009-04461-7, "RES, 0R (JUMPER), 1%, 1/8W, -55°C to 150°C, 0805 (2012 Metric), Thick Film, AEC-Q200", Case/Package=0805/2012, Max Operating Temperature=150°C, Min Operating Temperature=-55°C, Power=125mW, Temperature Coefficient=100ppm, Tolerance=1%, Voltage Rating=75V, AEC-Q=AEC-Q200, Composition="Thick FIlm", Mass (g)=0.0046, Mounting Technology=SMT, Pins=2, RoHS Compliant=TRUE
SW1: library part CMP-011-00021-1, "SWITCH, TOGGLE, SPDT ON-ON, VERTICAL, E-SWITCH 100SP3T1B1M2QE", Case/Package=EG1218, Contact Current Rating=200mA, Manufacturer 1=E-Switch, Manufacturer Part Number 1=100SP3T1B1M2QE, Max Operating Temperature=70°C, Min Operating Temperature=-20°C, Operating Force=250gf, Package Description="3-Pin Through Hole Device, Body 11.6 x 4 mm, Pitch 2.5 mm", Package Quantity=1000, Voltage Rating (AC)=30V, Contact Finish=Silver, Contact Material=Copper, Contact Plating=Silver, Current Rating=200mA, Mounting Technology=TH, Package Reference=EG1218, Packaging=Bulk, Pins=3, RoHS Compliant=True, Throw Configuration=SPDT, Voltage Rating (DC)=30V
U1 U2 U3 U4: library part CMP-001092-2, "IC, LOGIC, QUAD BUFFER/DRIVER, NEXPERIA 74HC125PW-Q100", Manufacturer=NEXPERIA, Manufacturer Part Number=74HC125PW-Q100, Package=TSSOP14, AEC-Q=YES, Manufacturer 1=NEXPERIA, Manufacturer Part Number 1=74HC125PW-Q100, Mounting Technology=SMD, Pins=14, RoHS Compliant=True
U5: library part CMP-031-00033-1, "IC, PMIC, TRACKING REGULATOR, INFINEON TLE4252DATMA1", Case/Package=DPAK, Manufacturer Name 1=INFINEON, Manufacturer Part Number 1=TLE4252DATMA1, Max Operating Temperature=125°C, Max Supply Voltage=35V, Min Operating Temperature=-40°C, AEC-Q=YES, Mounting Technology=SMT, Pins=6, RoHS Compliant=TRUE
U6 U7 U8 U9 U10: library part CMP-001342-1, "IC, LOGIC, SCHMITTTRIGGER BUFFER, TI SN74LVC1G17DBVR, NOAECQ, SOT23-5", Manufacturer=TI, Manufacturer Part Number=SN74LVC1G17DBVR, Package=SOT353, AEC-Q=NO, Manufacturer 1=TI, Manufacturer Part Number 1=SN74LVC1G17DBVR, Mounting Technology=SMD, Pins=5, RoHS Compliant=True

## Via types
v1: diameter 0.85, hole 0.35, Top Layer to Bottom Layer, tented both sides, 90 vias
v2: diameter 0.889, hole 0.381, Top Layer to Bottom Layer, tented both sides, 8 vias